# Altium PCB CM3_IO_V1.3_20220317.PcbDoc (part 6 of 7)
Units mil, origin at the board's own origin, x right, y up, seen from the top; angles counter-clockwise.
Board outline 6299.61 x 3544.09 mil, 4 copper layers (Top, GND, Power, Bottom), stack 35.4 mil thick; 551 components, 415 nets, 1958 pads, 2673 vias.
Unrouted connection lines stored in the file: 298.
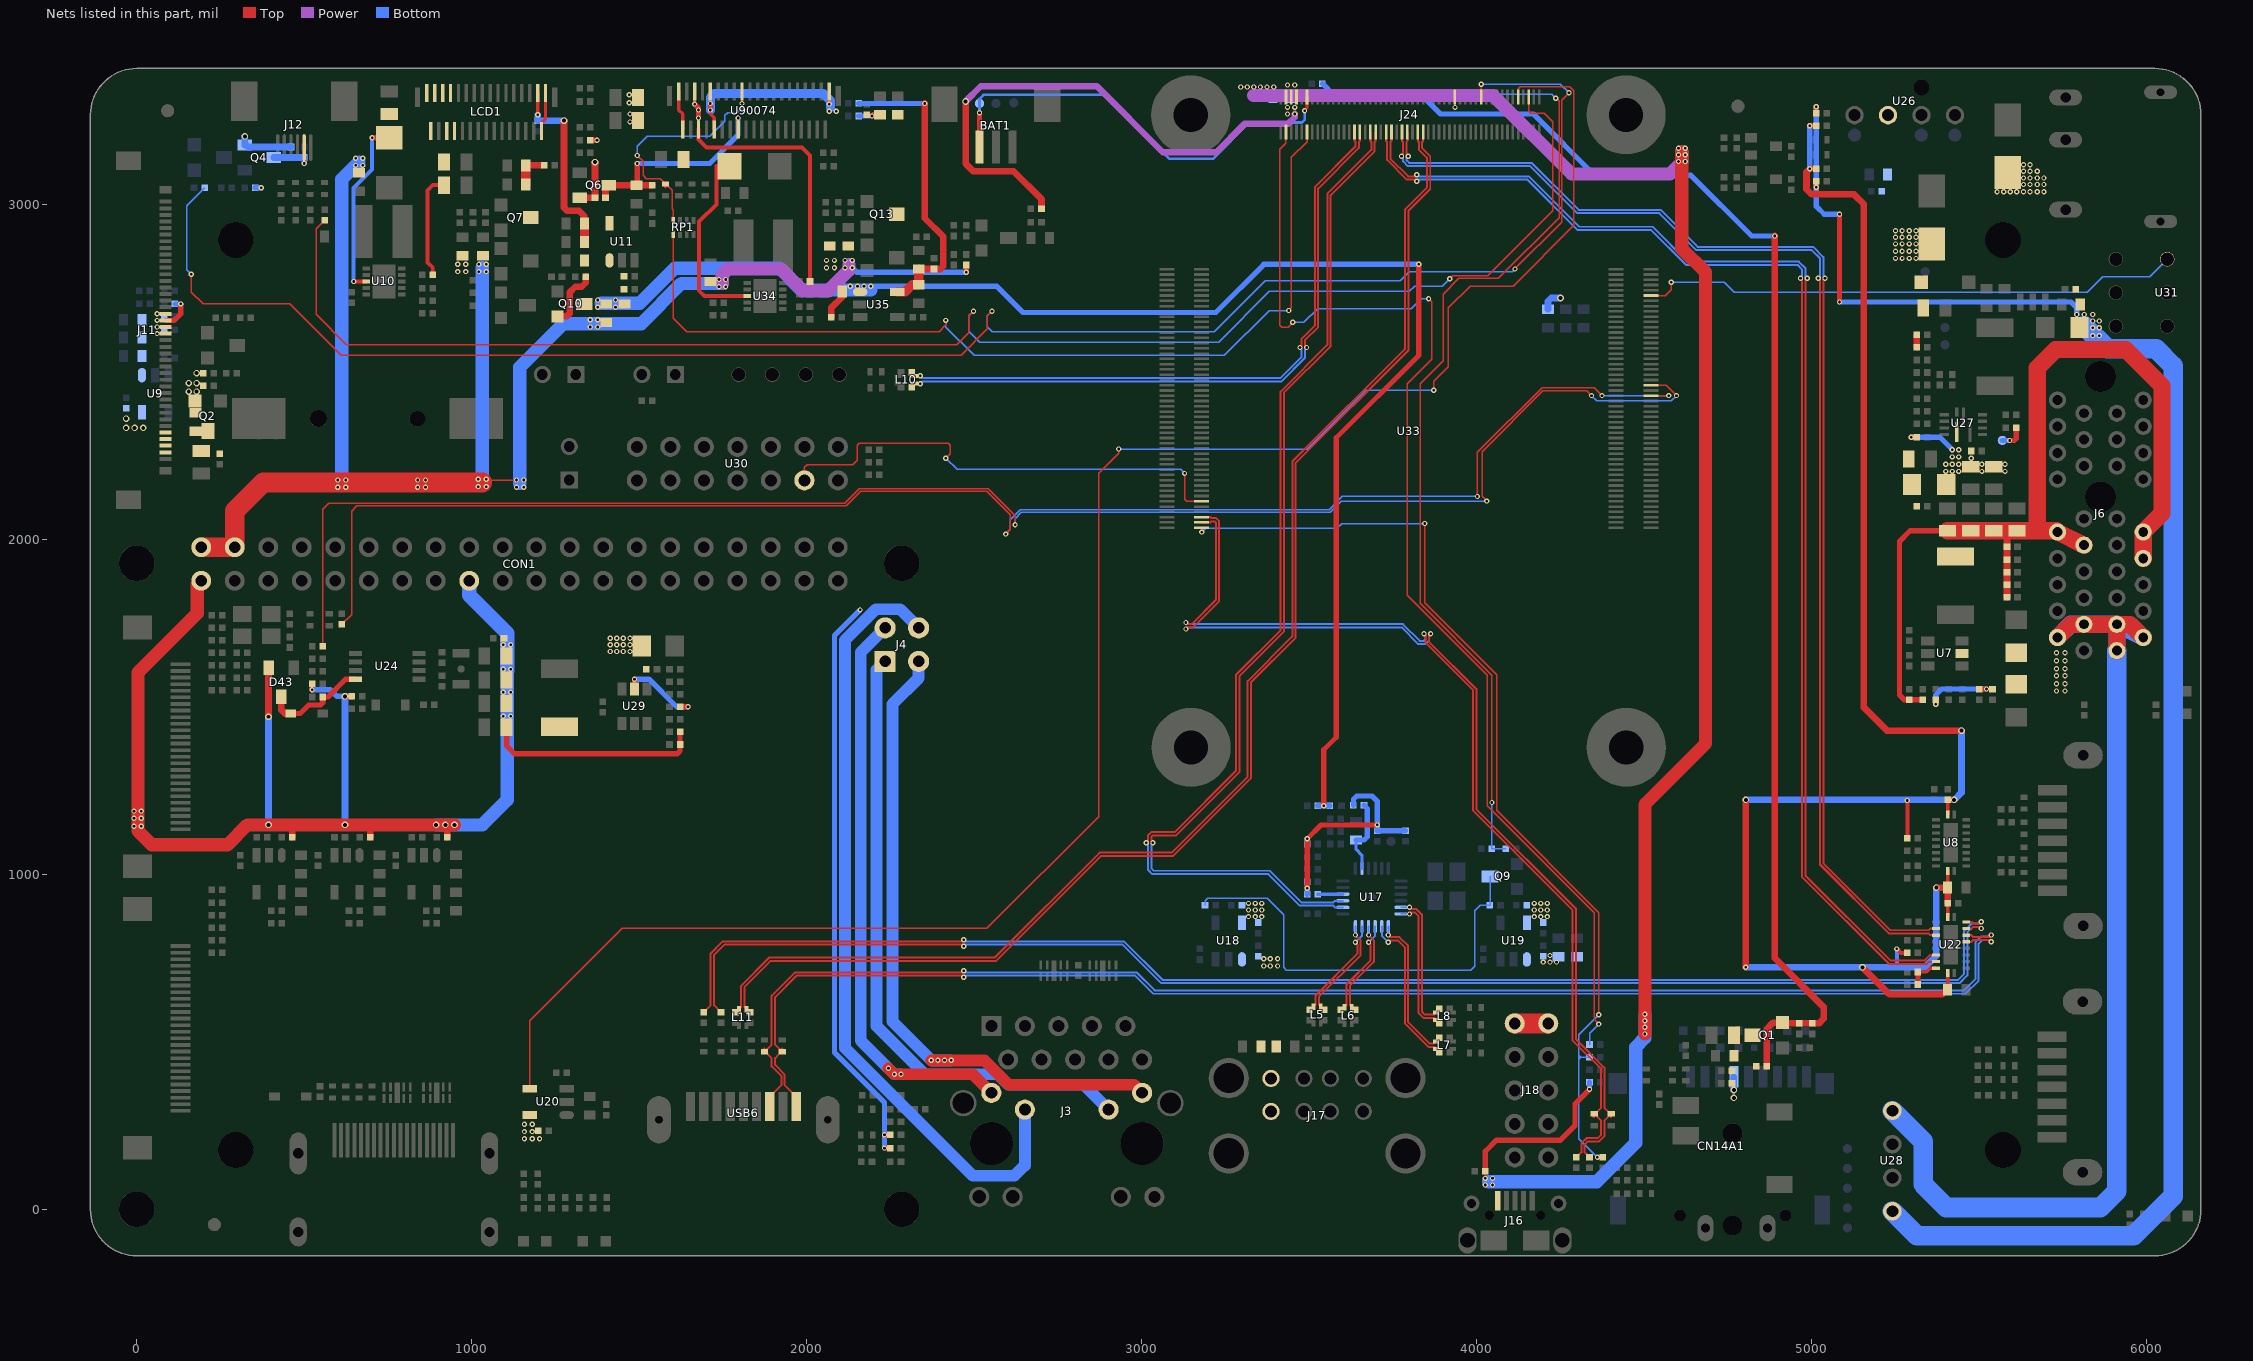
[diagram p8: the nets of this part, all layers, seen from the top]

## Via types
v1: diameter 15.75, hole 7.87, Top to Bottom, 2641 vias
v2: diameter 19.68, hole 11.81, Top to Bottom, 32 vias

## Nets (pads, with @x,y where several pads share a name; then routed paths per layer and width w, separated by ;. In a path a pad name is that pad's centre, name@x,y a point inside that pad or via, vN(x,y) a via of type N, cw(c..) or ccw(c..) an arc to the next point about the centre after c; other vN are vias at no path point) (continued)
TP_PWR_DET: J24.24 R51.2 | length 5498
  Top w3.94: v1(163.39,2791.34) 163.39,2738.19 198.82,2702.76 456.69,2702.76 610.24,2549.21 2460.69,2549.21 2539.37,2627.89 2539.37,2667.32 v1(2553.15,2681.1) ; J24.24@4013.19,3320.08 4013.19,3357.68 v1(4013.78,3358.27) ; v1(4114.17,2807.09) 4253.94,2946.85 4253.94,3311.02 v1(4275.59,3332.68)
  Bottom w3.94: v1(163.39,2791.34) 149.61,2805.12 149.61,2996.06 R51.2@202.76,3049.21 ; v1(2553.15,2681.1) 2539.37,2667.32 2539.37,2635.15 2554.44,2620.08 3216.77,2620.08 3368.34,2771.65 3771.65,2771.65 3799.21,2799.21 4106.3,2799.21 v1(4114.17,2807.09) ; v1(4013.78,3358.27) 4250,3358.27 v1(4275.59,3332.68)
TP_RST_1: J24.89 RP1.8 | length 2791.7
  Top w3.94: RP1.8@1601.89,2910.6 1601.89,2659.92 1641.73,2620.08 2395.05,2620.08 2415.35,2640.38 v1(2415.35,2653.54) ; v1(3438.98,2683.07) 3446.85,2690.94 3446.85,3140.35 3493.5,3187.01 J24.89@3493.5,3216.14
  Bottom w3.94: v1(2415.35,2653.54) 2415.35,2633.8 2499.94,2549.21 3246.12,2549.21 3379.98,2683.07 v1(3438.98,2683.07)
TP_RST_L: J24.6 R45.1 | length 4739.7
  Top w3.94: R45.1@561.02,2952.76 535.43,2927.17 535.43,2671.26 625.98,2580.71 2447.64,2580.71 2484.25,2617.32 2484.25,2667.32 v1(2498.03,2681.1) ; v1(3919.29,2777.56) 3929.13,2787.4 4033.41,2787.4 4226.38,2980.37 4226.38,3246.74 4201.46,3271.65 4161.42,3271.65 4154.92,3278.15 J24.6@4154.92,3320.08
  Bottom w3.94: v1(2498.03,2681.1) 2484.25,2667.32 2484.25,2620.58 2516.25,2588.58 3229.81,2588.58 3381.39,2740.16 3799.21,2740.16 3814.96,2755.91 3897.64,2755.91 v1(3919.29,2777.56)
TP_RST_LCD: D16.1 RP1.1 U90074.23 | length 710.8
  Top w3.94: v1(1494.09,3145.67) 1511.81,3127.95 1511.81,3086.61 1521.65,3076.77 1562.99,3076.77 D16.1@1578.74,3061.02 1598.43,3041.34 1598.43,2986.22 1602.36,2982.28 1602.36,2952.07 RP1.1@1601.89,2951.6 ; v1(1807.09,3301.18) U90074.23@1807.09,3336.61
  Bottom w3.94: v1(1494.09,3145.67) 1494.09,3173.23 1523.62,3202.76 1710.63,3202.76 1755.91,3248.03 1755.91,3265.75 1763.78,3273.62 1793.31,3273.62 1807.09,3287.4 v1(1807.09,3301.18)
TR0: J3.11 J4.2 | length 1761.1
  Top w35.43: v1(2244.09,421.26) v1(2261.81,403.54) 2495.67,403.54 J3.11@2551.18,348.03
  Bottom w35.43: J4.2@2234.25,1735.83 2161.42,1662.99 2161.42,503.94 v1(2244.09,421.26) v1(2261.81,403.54) v1(2281.5,403.54)
TR1: J3.12 J4.1 | length 2372.5
  Bottom w35.43: J4.1@2334.25,1735.83 2278.74,1791.34 2206.69,1791.34 2114.17,1698.82 2114.17,482.28 2496.06,100.39 2620.08,100.39 2651.18,131.5 J3.12@2651.18,298.03
TR2: J3.13 J4.4 | length 1894.9
  Bottom w35.43: J4.4@2234.25,1635.83 2208.66,1610.24 2208.66,547.24 2352.36,403.54 2570.28,403.54 2601.77,372.05 2827.17,372.05 J3.13@2901.18,298.03
TR3: J3.14 J4.3 | length 1999.8
  Top w35.43: v1(2372.05,444.88) v1(2391.73,444.88) v1(2411.42,444.88) v1(2431.1,444.88) 2530.49,444.88 2603.33,372.05 2977.17,372.05 J3.14@3001.18,348.03
  Bottom w35.43: J4.3@2334.25,1635.83 2334.25,1586.22 2255.91,1507.87 2255.91,561.02 v1(2372.05,444.88) v1(2411.42,444.88) v1(2431.1,444.88)
TS: BAT1.3 J24.90 P2.1 | length 1317.4
  Top w7.87: v1(3486.22,3279.53) 3486.22,3280.12 3493.5,3287.4 J24.90@3493.5,3320.08
  Top w15.75: BAT1.3@2515.75,3171.26 v1(2515.75,3273.62)
  Bottom w7.87: v1(2515.75,3273.62) P2.1@2515.75,3301.18 2515.75,3314.96 2527.56,3326.77 2891.73,3326.77 3082.68,3135.83 3212.6,3135.83 3320.87,3244.09 3478.35,3244.09 3486.22,3251.97 v1(3486.22,3279.53)
TV_OUT: U30.11 U33.111 | length 1439.9
  Top w3.94: U30.11@1993.31,2175.98 1993.31,2214.57 2001.18,2222.44 2137.8,2222.44 2151.57,2236.22 2151.57,2281.5 2157.48,2287.4 2421.94,2287.4 2429.13,2280.2 2429.13,2255.91 v1(2415.35,2242.13) ; v1(3127.95,2196.85) 3127.95,2120.08 3134.45,2113.58 U33.111@3179.13,2113.58
  Bottom w3.94: v1(2415.35,2242.13) 2448.82,2208.66 3116.14,2208.66 v1(3127.95,2196.85)
UART2_RX: R168.2 U33.51 | length 4750.7
  Top w3.94: R168.2@612.2,1746.06 641.73,1775.59 641.73,2084.65 657.48,2100.39 2117.38,2100.39 2160.68,2143.7 2538.14,2143.7 2608.27,2073.57 2608.27,2029.53 v1(2594.49,2015.75) ; v1(4001.97,2127.95) 4001.97,2259.84 4194.88,2452.76 4350.39,2452.76 v1(4374.02,2429.13) ; U33.51@4520.47,2428.54 4521.06,2429.13 v1(4572.83,2429.13)
  Bottom w3.94: v1(2594.49,2015.75) 2608.27,2029.53 2608.27,2059.11 2637.74,2088.58 3559.17,2088.58 3598.54,2127.95 v1(4001.97,2127.95) ; v1(4374.02,2429.13) v1(4572.83,2429.13)
UART2_TX: R167.2 U33.55 | length 4926.9
  Top w3.94: R167.2@555.12,1681.1 555.12,2090.55 572.83,2108.27 2114.12,2108.27 2157.42,2151.57 2541.4,2151.57 2622.05,2070.92 v1(2622.05,2043.31) ; v1(4029.53,2114.17) 4015.75,2127.95 4015.75,2261.81 4196.85,2442.91 4328.74,2442.91 v1(4342.52,2429.13) ; U33.55@4520.47,2460.04 4565.55,2460.04 v1(4596.46,2429.13)
  Bottom w3.94: v1(2622.05,2043.31) 2622.05,2061.76 2641,2080.71 3562.43,2080.71 3595.9,2114.17 v1(4029.53,2114.17) ; v1(4342.52,2429.13) 4358.27,2413.39 4580.71,2413.39 v1(4596.46,2429.13)
USB1_DM: L5.4 R111.1 U17.11 | length 318.5
  Top w3.94: R111.1@3501.97,596.46 3510.83,605.32 L5.4@3512.79,605.32
  Top w5.91: L5.4@3512.79,605.32 3518.7,611.23 3518.7,638.15 3643.7,763.15 3643.7,791.34 v1(3637.8,797.24)
  Bottom w5.91: v1(3637.8,797.24) 3657.48,816.93 U17.11@3657.48,844.49
USB1_DP: L5.2 R109.1 U17.12 | length 314.4
  Top w3.94: L5.2@3534.45,605.32 3536.41,605.32 R109.1@3545.28,596.46
  Top w5.91: L5.2@3534.45,605.32 3528.54,611.23 3528.54,634.08 3653.54,759.08 3653.54,803.15 v1(3637.8,818.9)
  Bottom w5.91: v1(3637.8,818.9) U17.12@3637.8,844.49
USB2.0_HUB_PWR: J24.34 R107.2 R108.1 | length 2987.5
  Top w3.94: J24.34@3934.45,3320.08 3934.45,3288.78 v1(3935.04,3289.37) ; v1(4045.28,1214.57) 4045.28,1594.49 3830.71,1809.06 3830.71,2464.57 3899.61,2533.46 3899.61,2732.28 3946.85,2779.53 4064.96,2779.53 4246.06,2960.63 4246.06,3307.09 v1(4236.22,3316.93)
  Bottom w3.94: v1(3935.04,3289.37) 3935.04,3318.9 3944.88,3328.74 4224.41,3328.74 v1(4236.22,3316.93) ; v1(4045.28,1214.57) R108.1@4045.28,1076.77 R107.2@4086.61,1076.77
USB2_DM: L6.4 R112.1 U17.9 | length 297.6
  Top w3.94: R112.1@3594.49,596.46 3601.38,603.35 L6.4@3605.31,603.35
  Top w5.91: L6.4@3605.31,603.35 3611.22,609.26 3611.22,671.33 3683.07,743.18 3683.07,791.34 v1(3677.17,797.24)
  Bottom w5.91: v1(3677.17,797.24) 3696.85,816.93 U17.9@3696.85,844.49
USB2_DP: L6.2 R110.1 U17.10 | length 293.5
  Top w3.94: L6.2@3626.97,603.35 3633.87,596.46 R110.1@3637.8,596.46
  Top w5.91: L6.2@3626.97,603.35 3621.06,609.26 3621.06,667.25 3692.91,739.1 3692.91,803.15 v1(3677.17,818.9)
  Bottom w5.91: v1(3677.17,818.9) U17.10@3677.17,844.49
USB2_HOST2_DM: J24.65 U17.14 | length 3153
  Top w5.91: v1(3013.78,1094.49) 3018.7,1099.41 3018.7,1116.14 3028.54,1125.98 3098.43,1125.98 3281.5,1309.06 3281.5,1595.47 3414.37,1728.35 3414.37,2441.01 3554.13,2580.78 3554.13,3031.57 3685.43,3162.87 3685.43,3186.02 3682.48,3188.98 J24.65@3682.48,3216.14
  Bottom w5.91: v1(3013.78,1094.49) 3018.7,1089.57 3018.7,1013.71 3031.43,1000.98 3377.88,1000.98 3472.37,906.5 3571.85,906.5 3576.77,901.57 U17.14@3600.39,901.57
USB2_HOST2_DP: J24.63 U17.15 | length 3136.7
  Top w5.91: v1(3033.46,1094.49) 3028.54,1099.41 3028.54,1112.06 3032.62,1116.14 3102.5,1116.14 3291.34,1304.98 3291.34,1591.4 3424.21,1724.27 3424.21,2436.94 3563.98,2576.7 3563.98,3027.49 3695.28,3158.79 3695.28,3186.02 3698.23,3188.98 J24.63@3698.23,3216.14
  Bottom w5.91: v1(3033.46,1094.49) 3028.54,1089.57 3028.54,1017.79 3035.5,1010.83 3381.96,1010.83 3476.45,916.34 3571.85,916.34 3576.77,921.26 U17.15@3600.39,921.26
USB2_HOST3_DM: J24.71 L10.4 R126.1 | length 1942.5
  Top w5.91: R126.1@2312.99,2498.03 2321.85,2489.17 L10.4@2321.85,2487.21 2322.84,2488.19 v1(2338.58,2488.19) ; v1(3472.44,2572.83) 3477.36,2577.76 3477.36,2598.43 3516.73,2637.8 3516.73,3051.25 3638.19,3172.71 3638.19,3186.02 3635.24,3188.98 J24.71@3635.24,3216.14
  Bottom w5.91: v1(2338.58,2488.19) 2345.47,2481.3 3413.25,2481.3 3477.36,2545.42 3477.36,2567.91 v1(3472.44,2572.83)
USB2_HOST3_DP: J24.69 L10.2 R124.1 | length 1958.8
  Top w5.91: R124.1@2312.99,2454.72 2312.99,2456.69 L10.2@2321.85,2465.55 2337.6,2465.55 v1(2338.58,2464.57) ; v1(3492.13,2572.83) 3487.2,2577.76 3487.2,2594.35 3526.57,2633.72 3526.57,3047.17 3648.03,3168.63 3648.03,3186.02 3650.98,3188.98 J24.69@3650.98,3216.14
  Bottom w5.91: v1(2338.58,2464.57) 2345.47,2471.46 3417.32,2471.46 3487.2,2541.34 3487.2,2567.91 v1(3492.13,2572.83)
USB3_DM: L7.2 R116.1 U17.7 | length 452.8
  Top w3.94: L7.2@3878.93,500.99 3877.95,501.97 R116.1@3887.8,511.81
  Top w5.91: v1(3736.22,818.9) 3742.13,812.99 3768.77,812.99 3795.28,786.49 3795.28,559.19 3859.39,495.08 3871.06,495.08 L7.2@3877.95,501.97
  Bottom w5.91: v1(3736.22,818.9) U17.7@3736.22,844.49
USB3_DP: L7.4 R121.1 U17.8 | length 482.3
  Top w3.94: L7.4@3878.93,479.33 3887.8,470.47 R121.1@3887.8,468.5
  Top w5.91: v1(3736.22,797.24) 3742.13,803.15 3764.69,803.15 3785.43,782.41 3785.43,555.12 3855.31,485.24 3873.02,485.24 L7.4@3878.93,479.33
  Bottom w5.91: U17.8@3716.54,844.49 3716.54,816.93 v1(3736.22,797.24)
USB3_HOST1_DM: J24.47 L11.1 R128.2 | length 4014.9
  Top w3.94: R128.2@1787.4,588.58 1789.36,588.58 L11.1@1798.23,597.44
  Top w5.91: L11.1@1798.23,597.44 1804.13,603.35 1804.13,667.32 1888.78,751.97 2561.66,751.97 2874.65,1064.96 3089.43,1064.96 3315.94,1291.48 3315.94,1576.77 3449.8,1710.63 3449.8,2232.42 3786.42,2569.04 3786.42,2984.94 3851.38,3049.9 3851.38,3139.17 3827.17,3163.39 3827.17,3186.02 3824.21,3188.98 J24.47@3824.21,3216.14
USB3_HOST1_DP: J24.45 L11.3 R129.2 | length 4015.7
  Top w3.94: L11.3@1819.89,597.44 1820.87,598.43 R129.2@1830.71,588.58
  Top w5.91: L11.3@1819.89,597.44 1813.98,603.35 1813.98,663.25 1892.86,742.13 2565.74,742.13 2878.73,1055.12 3093.5,1055.12 3325.79,1287.4 3325.79,1572.69 3459.65,1706.55 3459.65,2228.35 3796.26,2564.96 3796.26,2980.86 3861.22,3045.82 3861.22,3143.25 3837.01,3167.46 3837.01,3186.02 3839.96,3188.98 J24.45@3839.96,3216.14
USB3_HOST1_SSRXN: J24.59 U22.7 | length 3790
  Top w5.91: J24.59@3729.72,3216.14 3729.72,3188.98 3732.68,3186.02 3732.68,3132.41 3791.27,3073.82 3815.94,3073.82 v1(3820.87,3068.9) ; v1(4966.54,2779.53) 4971.46,2774.61 4971.46,992.06 5231.07,732.44 5342.52,732.44 5348.27,738.19 5368.9,738.19 U22.7@5370.47,739.76
  Bottom w5.91: v1(3820.87,3068.9) 3825.79,3073.82 4151.57,3073.82 4302.17,2923.23 4520.67,2923.23 4625,2818.9 4957.54,2818.9 4971.46,2804.98 4971.46,2784.45 v1(4966.54,2779.53)
USB3_HOST1_SSRXP: J24.57 U22.6 | length 3777.2
  Top w5.91: J24.57@3745.47,3216.14 3745.47,3188.98 3742.52,3186.02 3742.52,3136.49 3795.35,3083.66 3815.94,3083.66 v1(3820.87,3088.58) ; v1(4986.22,2779.53) 4981.3,2774.61 4981.3,996.13 5234.39,743.05 5337.93,743.05 5354.33,759.45 U22.6@5370.47,759.45
  Bottom w5.91: v1(3820.87,3088.58) 3825.79,3083.66 4155.65,3083.66 4306.24,2933.07 4524.75,2933.07 4629.08,2828.74 4961.61,2828.74 4981.3,2809.06 4981.3,2784.45 v1(4986.22,2779.53)
USB3_HOST1_SSTXN: J24.53 U22.3 | length 3703.9
  Top w5.91: v1(3775.59,3143.7) 3780.22,3148.33 3780.22,3185.73 3776.97,3188.98 J24.53@3776.97,3216.14 ; v1(5019.69,2779.53) 5024.61,2774.61 5024.61,1029.46 5230.64,823.43 5349.41,823.43 5354.33,818.5 U22.3@5370.47,818.5
  Bottom w5.91: v1(3775.59,3143.7) 3780.51,3138.78 3780.51,3127.95 3794.29,3114.17 4159.45,3114.17 4300.2,2973.43 4545.21,2973.43 4655.44,2863.19 4999.93,2863.19 5024.61,2838.51 5024.61,2784.45 v1(5019.69,2779.53)
USB3_HOST1_SSTXP: J24.51 U22.2 | length 3687.5
  Top w5.91: J24.51@3792.72,3216.14 3792.72,3188.39 3790.06,3185.73 3790.06,3148.92 v1(3795.28,3143.7) ; v1(5039.37,2779.53) 5034.45,2774.61 5034.45,1033.53 5234.72,833.27 5349.41,833.27 5354.33,838.19 U22.2@5370.47,838.19
  Bottom w5.91: v1(3795.28,3143.7) 3790.35,3138.78 3790.35,3132.03 3798.37,3124.02 4163.53,3124.02 4304.27,2983.27 4549.28,2983.27 4659.52,2873.03 5004.01,2873.03 5034.45,2842.59 5034.45,2784.45 v1(5039.37,2779.53)
USB3_SSRXN: D35.2 U22.15 USB6.5 | length 4266.1
  Top w5.91: USB6.5@1968.5,307.09 1968.5,336.61 1934.06,371.06 1934.06,402.56 1905.51,431.1 1905.51,451.77 1918.43,464.69 D35.2@1927.17,470.47 1905.51,492.13 1905.51,633.72 1969.63,697.83 2463.58,697.83 v1(2468.5,692.91) ; U22.15@5461.02,798.82 5476.38,798.82 5481.3,803.74 5530.91,803.74 v1(5535.43,799.21)
  Bottom w5.91: v1(2468.5,692.91) 2473.43,697.83 2980.31,697.83 3034.45,643.7 5458.66,643.7 5498.03,683.07 5498.03,793.31 5508.86,804.13 5530.51,804.13 v1(5535.43,799.21)
USB3_SSRXP: D34.2 U22.16 USB6.6 | length 4282.7
  Top w5.91: USB6.6@1889.76,307.09 1889.76,336.61 1924.21,371.06 1924.21,398.48 1895.67,427.03 1895.67,451.77 1882.75,464.69 D34.2@1874.02,470.47 1895.67,492.13 1895.67,637.8 1965.55,707.68 2463.58,707.68 v1(2468.5,712.6) ; U22.16@5461.02,818.5 5476.38,818.5 5481.3,813.58 5530.12,813.58 v1(5535.43,818.9)
  Bottom w5.91: v1(2468.5,712.6) 2473.43,707.68 2984.39,707.68 3038.53,653.54 5454.58,653.54 5488.19,687.15 5488.19,797.38 5504.78,813.98 5530.51,813.98 v1(5535.43,818.9)
USB3_SSTXN: C106.1 U22.17 | length 4222.2
  Top w5.91: C106.1@1744.09,588.58 1723.43,609.25 1723.43,759.7 1754.08,790.35 2463.58,790.35 v1(2468.5,785.43) ; U22.17@5461.02,838.19 5476.38,838.19 5481.5,843.31 5501.18,843.31 v1(5505.91,838.58)
  Bottom w5.91: v1(2468.5,785.43) 2473.43,790.35 2942.77,790.35 3057.93,675.2 5440.94,675.2 5464.57,698.82 5464.57,826.63 5481.44,843.5 5500.98,843.5 v1(5505.91,838.58)
USB3_SSTXP: C107.1 U22.18 | length 4238.5
  Top w5.91: C107.1@1692.91,588.58 1713.58,609.25 1713.58,763.78 1750,800.2 2463.58,800.2 v1(2468.5,805.12) ; U22.18@5461.02,857.87 5476.77,857.87 5481.5,853.15 5500.79,853.15 v1(5505.91,858.27)
  Bottom w5.91: v1(2468.5,805.12) 2473.43,800.2 2946.85,800.2 3062.01,685.04 5436.87,685.04 5454.72,702.9 5454.72,830.71 5477.36,853.35 5500.98,853.35 v1(5505.91,858.27)
USB4_DM: L8.2 R117.1 U17.5 | length 424.2
  Top w3.94: L8.2@3878.93,587.6 3878.93,589.56 R117.1@3887.8,598.43
  Top w5.91: v1(3799.21,901.57) 3804.13,896.65 3818.9,896.65 3836.61,878.94 3836.61,589.64 3844.56,581.69 3873.02,581.69 L8.2@3878.93,587.6
  Bottom w3.94: U17.5@3773.62,901.57 v1(3799.21,901.57)
USB4_DP: L8.4 R122.1 U17.6 | length 424.2
  Top w3.94: L8.4@3878.93,565.94 3878.93,563.98 R122.1@3887.8,555.12
  Top w5.91: v1(3799.21,881.89) 3804.13,886.81 3814.82,886.81 3826.77,874.86 3826.77,585.56 3840.48,571.85 3873.02,571.85 L8.4@3878.93,565.94
  Bottom w3.94: U17.6@3773.62,881.89 v1(3799.21,881.89)
USB30_EN_L: R133.1 R135.1 U22.8 | length 95.7
  Top w9.84: R133.1@5316.93,708.66 5342.52,708.66 5353.94,720.08 U22.8@5370.47,720.08
  Top w15.75: R135.1@5316.93,671.26 R133.1@5316.93,708.66
USB_5V_IN: J24.94 J24.96 J24.98 R185.2 R222.2 | length 1621.4
  Top w3.94: J24.98@3430.51,3320.08 J24.98@3431.1,3319.49
  Top w19.68: v2(2474.41,3307.09) 2474.41,3122.05 2498.03,3098.43 2618.11,3098.43 2700.79,3015.75 R222.2@2700.79,2986.22
  Power w19.68: v2(2474.41,3307.09) 2519.69,3352.36 2866.14,3352.36 3062.99,3155.51 3222.44,3155.51 3307.09,3240.16 3437.01,3240.16 3456.69,3259.84 v1(3456.69,3269.68)
  other v1: 3435.04,3269.68 3435.04,3289.37 3456.69,3289.37 3435.04,3356.3 3456.69,3356.3
USB_OTG0_DM: D19.2 R92.2 U33.103 | length 3006.6
  Top w5.91: v1(3131.89,1751.97) 3136.81,1747.05 3149.54,1747.05 3221.46,1818.97 3221.46,2049.61 3217.52,2053.54 3207.68,2053.54 3204.72,2050.59 U33.103@3179.13,2050.59 ; v1(3842.52,1718.5) 3847.44,1713.58 3847.44,1690.94 3989.17,1549.21 3989.17,1190.59 4286.42,893.35 4286.42,503.87 4371.06,419.22 4371.06,303.15 4359.13,291.22 D19.2@4350.39,285.43 4371.06,264.76 4371.06,222.58 4361.08,212.6 4327.62,212.6 4312.01,196.99 4312.01,170.28 R92.2@4297.24,155.51
  Bottom w5.91: v1(3131.89,1751.97) 3136.81,1747.05 3779.67,1747.05 3829.86,1696.85 3842.38,1696.85 3847.44,1701.91 3847.44,1713.58 v1(3842.52,1718.5)
USB_OTG0_DP: D18.2 R93.2 U33.105 | length 3055.8
  Top w5.91: v1(3131.89,1732.28) 3136.81,1737.2 3153.61,1737.2 3231.3,1814.89 3231.3,2054.13 3222.05,2063.39 3207.68,2063.39 3204.72,2066.34 U33.105@3179.13,2066.34 ; v1(3862.2,1718.5) 3857.28,1713.58 3857.28,1695.02 3999.02,1553.29 3999.02,1194.67 4296.26,897.42 4296.26,507.94 4380.91,423.3 4380.91,303.15 4392.84,291.22 D18.2@4401.57,285.43 4380.91,264.76 4380.91,218.5 4365.16,202.76 4331.69,202.76 4321.85,192.91 4321.85,170.28 R93.2@4336.61,155.51
  Bottom w5.91: v1(3131.89,1732.28) 3136.81,1737.2 3775.59,1737.2 3825.79,1687.01 3846.46,1687.01 3857.28,1697.83 3857.28,1713.58 v1(3862.2,1718.5)
USB_OTG0_ID: R95.2 R99.2 U33.101 | length 2907.4
  Top w3.94: v1(3179.13,2021.65) U33.101@3179.13,2034.84 ; v1(3844.49,2047.24) 3844.49,1811.02 4059.06,1596.46 4059.06,1190.94 4364.17,885.83 v1(4364.17,580.71) ; v1(4360.24,155.51) R95.2@4375.98,155.51
  Bottom w3.94: v1(3179.13,2021.65) 3190.94,2033.46 3582.68,2033.46 3596.46,2047.24 v1(3844.49,2047.24) ; 4305.12,454.59 4305.26,454.72 4311.02,454.72 ; R99.2@4336.61,454.72 4311.02,454.72 ; v1(4360.24,155.51) 4305.12,210.63 4305.12,448.82 ; v1(4364.17,580.71) 4305.12,521.65 4305.12,460.63 ; 4305.12,448.82 4311.02,454.72 ; 4305.12,448.82 4305.12,460.63 ; 4305.12,460.63 4311.02,454.72
USB_OTG0_VBUSDET: J24.97 R98.2 | length 3575.2
  Top w3.94: J24.97@3430.51,3216.14 3430.51,3183.07 3411.42,3163.98 3411.42,2639.76 3417.32,2633.86 3437.01,2633.86 v1(3450.79,2647.64) ; v1(3856.3,2718.5) 3866.14,2708.66 3866.14,2537.4 3793.31,2464.57 3793.31,1832.68 4031.5,1594.49 4031.5,1204.72 4350.39,885.83 4350.39,566.93 v1(4364.17,553.15)
  Bottom w3.94: v1(3450.79,2647.64) 3484.25,2647.64 3525.59,2688.98 3805.12,2688.98 3834.65,2718.5 v1(3856.3,2718.5) ; R98.2@4336.61,492.13 4336.61,525.59 v1(4364.17,553.15)
USB_PWR_EN: Q9.3 R114.2 R120.2 | length 1312.1
  Bottom w3.94: R114.2@3188.98,907.48 3188.98,921.26 3196.85,929.13 3374.02,929.13 3423.23,879.92 3423.23,722.44 3431.1,714.57 3982.28,714.57 3994.09,726.38 3994.09,891.73 4009.84,907.48 R120.2@4039.37,907.48 4039.71,907.82 Q9.3@4039.71,994.09
USB_PWR_H: J24.10 U20.4 | length 5628.3
  Top w3.94: U20.4@1173.23,360.24 1173.23,562.79 1449.02,838.58 2538.12,838.58 2872.05,1172.51 2872.05,2197.74 2931.1,2256.79 v1(2931.1,2269.68) ; v1(3872.05,2444.88) 3872.05,2472.44 3915.35,2515.75 3915.35,2690.94 3980.31,2755.91 4108.33,2755.91 4289.37,2936.95 4289.37,3338.58 4277.56,3350.39 4129.33,3350.39 4123.43,3344.49 J24.10@4123.43,3320.08
  Bottom w3.94: v1(2931.1,2269.68) 3493.95,2269.68 3669.15,2444.88 v1(3872.05,2444.88)
VBUS: C86.1 J16.1 R100.2 R185.1 | length 5676.2
  Top w3.94: v1(4025.59,92.52) C86.1@4025.59,114.17 ; v1(4602.36,3167.32) 4612.2,3157.48
  Top w15.75: C86.1@4025.59,114.17 4025.59,173.23 4059.06,206.69 4250,206.69 4293.31,250 4293.31,314.96 v1(4336.61,358.27)
  Top w39.37: v1(4501.97,523.62) v1(4501.97,582.68) 4501.97,1206.69 4503.94,1208.66 4503.94,1211.55 4683.07,1390.69 4683.07,2797.24 4612.2,2868.11 4612.2,3157.48
  Power w3.94: 3334.65,3324.8 v1(3334.65,3350.39) ; v1(4602.36,3127.95) 4612.2,3127.95 v1(4622.05,3127.95) ; v1(4602.36,3147.64) 4612.2,3147.64 v1(4622.05,3147.64)
  Power w7.87: v1(4602.36,3167.32) 4612.2,3157.48
  Power w39.37: 3334.65,3324.8 4049.21,3324.8 4283.46,3090.55 4576.77,3090.55 4612.2,3125.98 4612.2,3127.95 4612.2,3147.64 4612.2,3157.48
  Bottom w3.94: v1(4025.59,72.83) 4035.43,82.68
  Bottom w15.75: v1(4336.61,358.27) R100.2@4336.61,379.92
  Bottom w39.37: 4035.43,82.68 4358.27,82.68 4474.41,198.82 4474.41,484.25 4501.97,511.81 v1(4501.97,523.62) v1(4501.97,582.68)
  other v1: 4047.24,72.83 4047.24,92.52 4501.97,543.31 4501.97,562.99 4622.05,3167.32 3295.28,3350.39 3314.96,3350.39 3354.33,3350.39 3374.02,3350.39 3393.7,3350.39
VCC3V3_LCD0: C40.1 C41.1 C42.1 C46.1 C47.1 J11.18 J11.19 J11.20 J11.21 R40.2 U9.1 | length 126.3
  Top w3.94: v1(61.02,2673.23) J11.18@86.61,2673.23
  Top w15.75: J11.19@86.61,2653.54 112.2,2653.54 131.89,2673.23 v1(131.89,2702.76)
  Bottom w15.75: R40.2@114.17,2702.76 v1(131.89,2702.76)
  other v1: 61.02,2614.17 61.02,2633.86 61.02,2653.54
VCC3V3_PCIE: C12.1 C13.1 C14.1 C20.1 C21.1 C22.1 J6.A9 J6.A10 J6.B8 J6.B10 L1.2 R15.1 R21.2 R22.2 R23.2 R24.1 | length 2770.7
  Top w15.75: R15.1@5330.71,1521.65 C12.1@5291.34,1521.65 5275.59,1521.65 5261.81,1535.43 5261.81,1954.72 5261.81,1994.09 5293.31,2025.59 C20.1@5405.51,2025.59
  Top w19.68: R21.2@5582.68,1826.77 R22.2@5582.68,1864.17 R24.1@5582.68,1901.57 R23.2@5582.68,1938.98 C14.1@5582.68,1978.35 5582.68,2025.59
  Top w51.18: C20.1@5405.51,2025.59 5582.68,2025.59 C22.1@5612.2,2025.59 5673.23,2025.59 ; J6.A9@5812.2,1982.68 J6.A10@5733.46,2022.05 5729.92,2025.59 5673.23,2025.59 ; J6.B8@5989.37,1943.31 J6.B10@5989.37,2022.05 6045.28,2077.95 6045.28,2458.66 5937.01,2566.93 5728.35,2566.93 5673.23,2511.81 5673.23,2025.59
VCC3V3_SD_1: C4.1 C5.1 C7.1 C8.1 CN14A1.4 Q1.3 R220.2 | length 39.6
  Bottom w19.68: v2(4767.72,356.3) CN14A1.4@4767.72,395.89
  other v2: 4767.72,332.68
VCC3V3_SYS: C29.1 C30.1 C45.1 C109.1 C111.1 C148.1 C149.1 C150.1 C154.1 C155.1 C156.1 CON1.1 CON1.17 D43.2 FB2.1 FB3.1 FB4.1 L13.2 Q4.2 Q6.2 R4.2 R10.2 R44.1 R47.2 R61.1 R62.1 R63.2 R138.2 R139.1 R144.1 R157.1 R169.2 R197.1 R207.1 R209.1 R213.1 U8.9 U8.20 U9.5 U22.9 U22.20 | length 11893.6